# KiCad board n64adv2.kicad_pcb
title: N64Advanced v2 (ADV7513 Version); rev: 20231119; company: Peter 'borti498' Bartmann; note: Schematic and PCB (c) 2021 - 2023 by Peter Bartmann; note: N64Adv2_20231119; note: Licensed under CERN-OHL-W v2
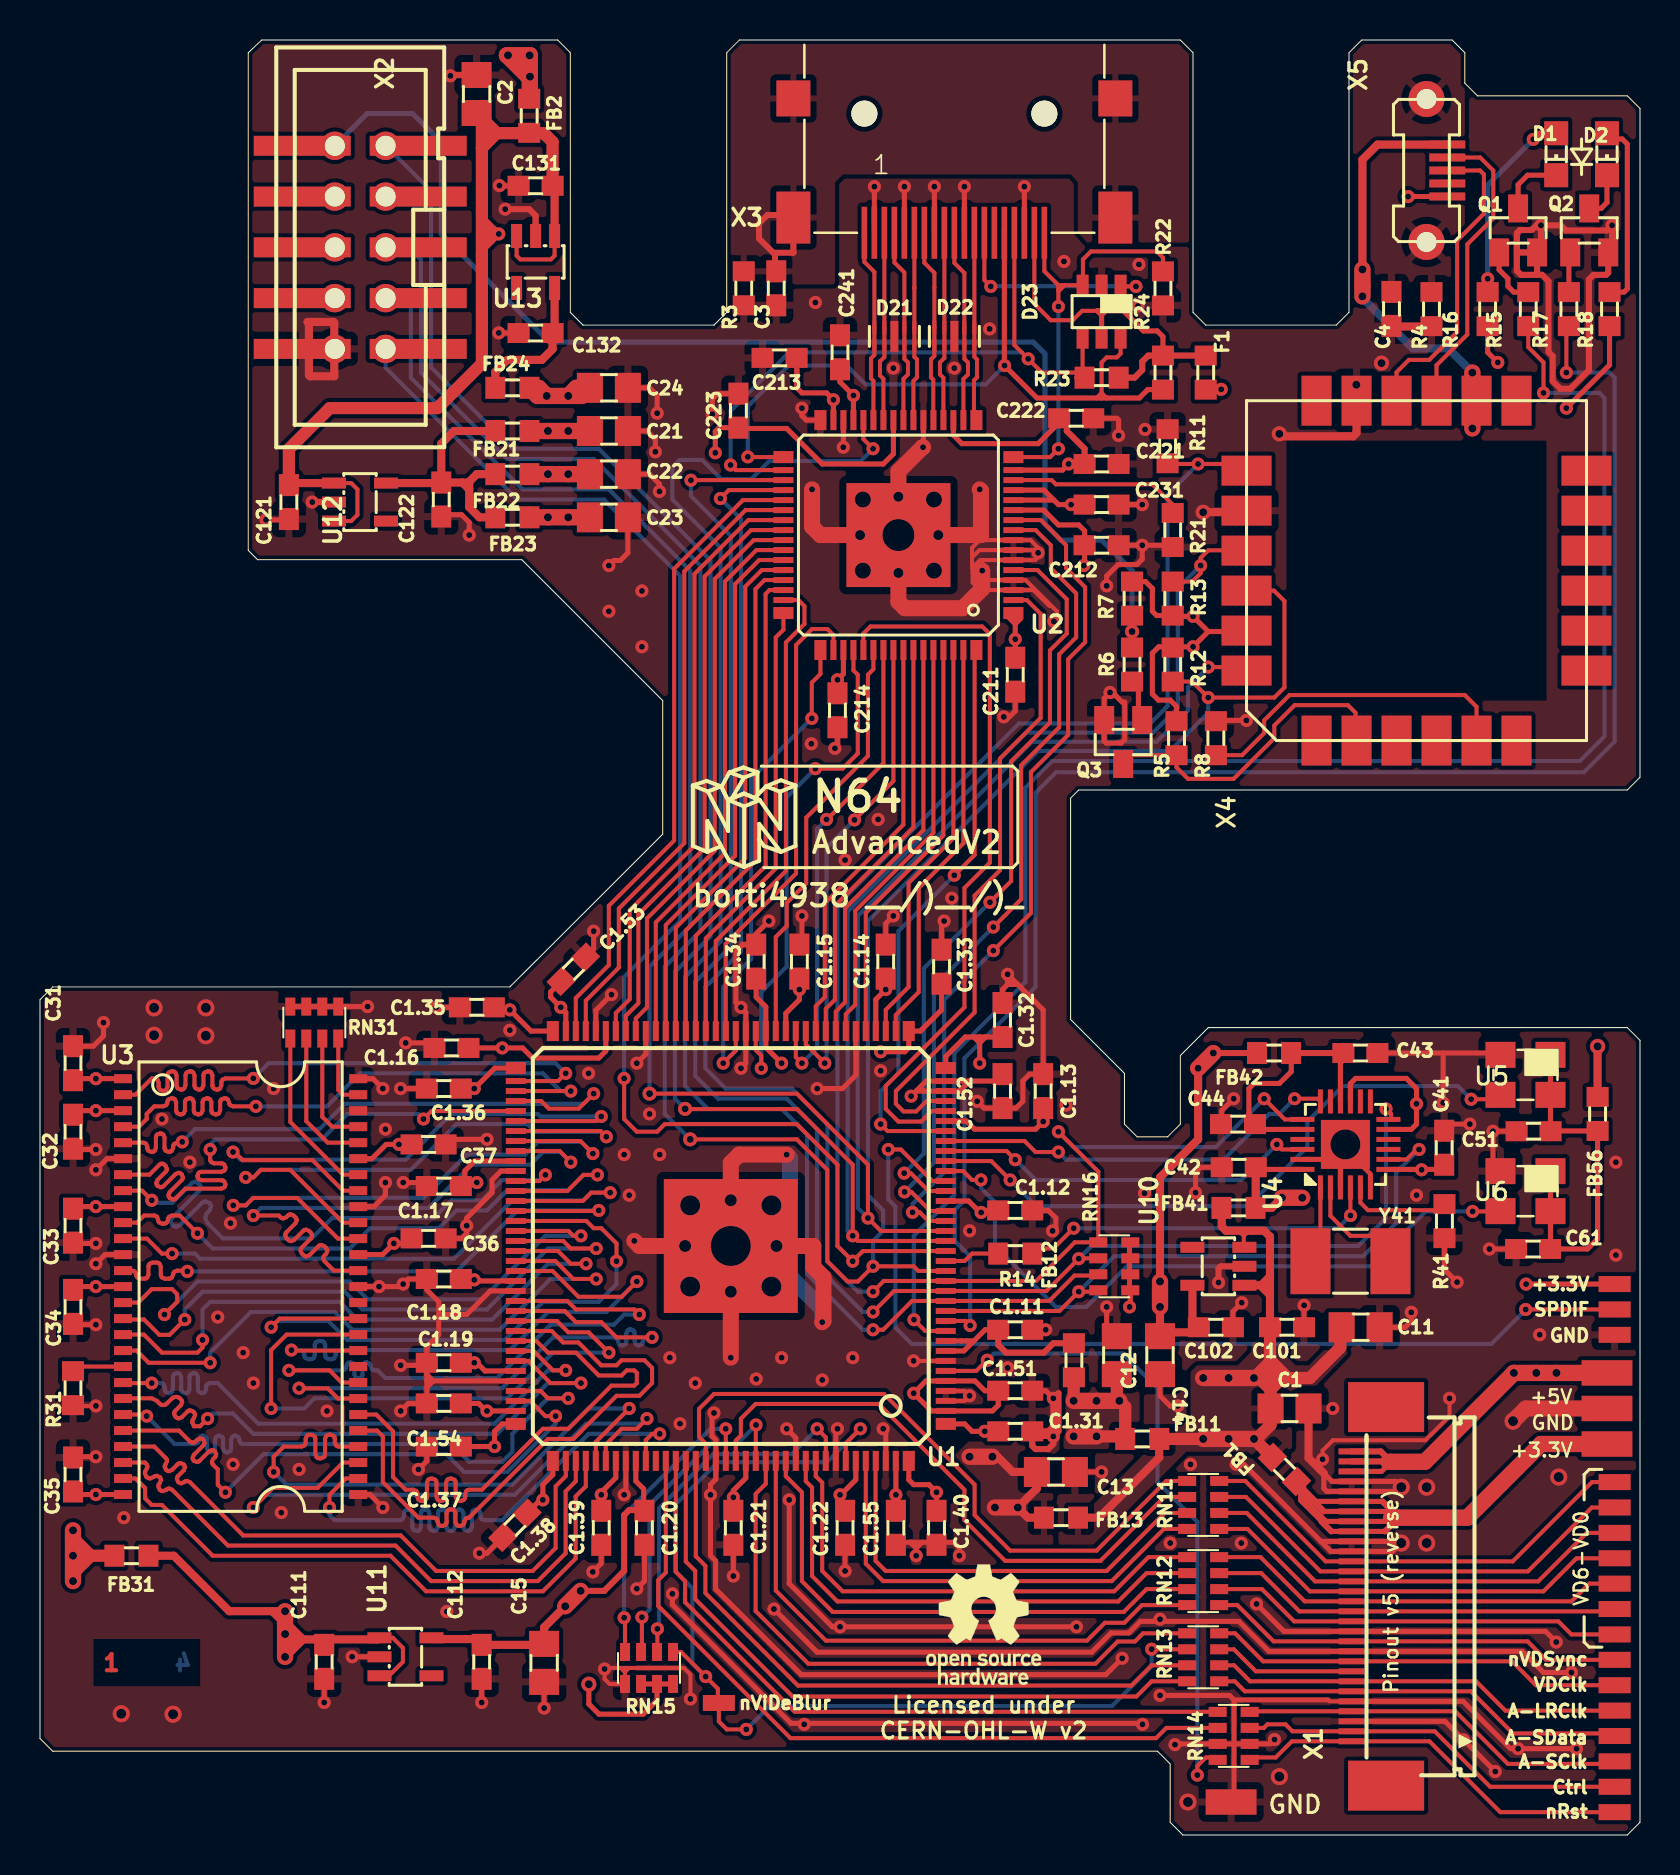
[diagram p0: board, top side]
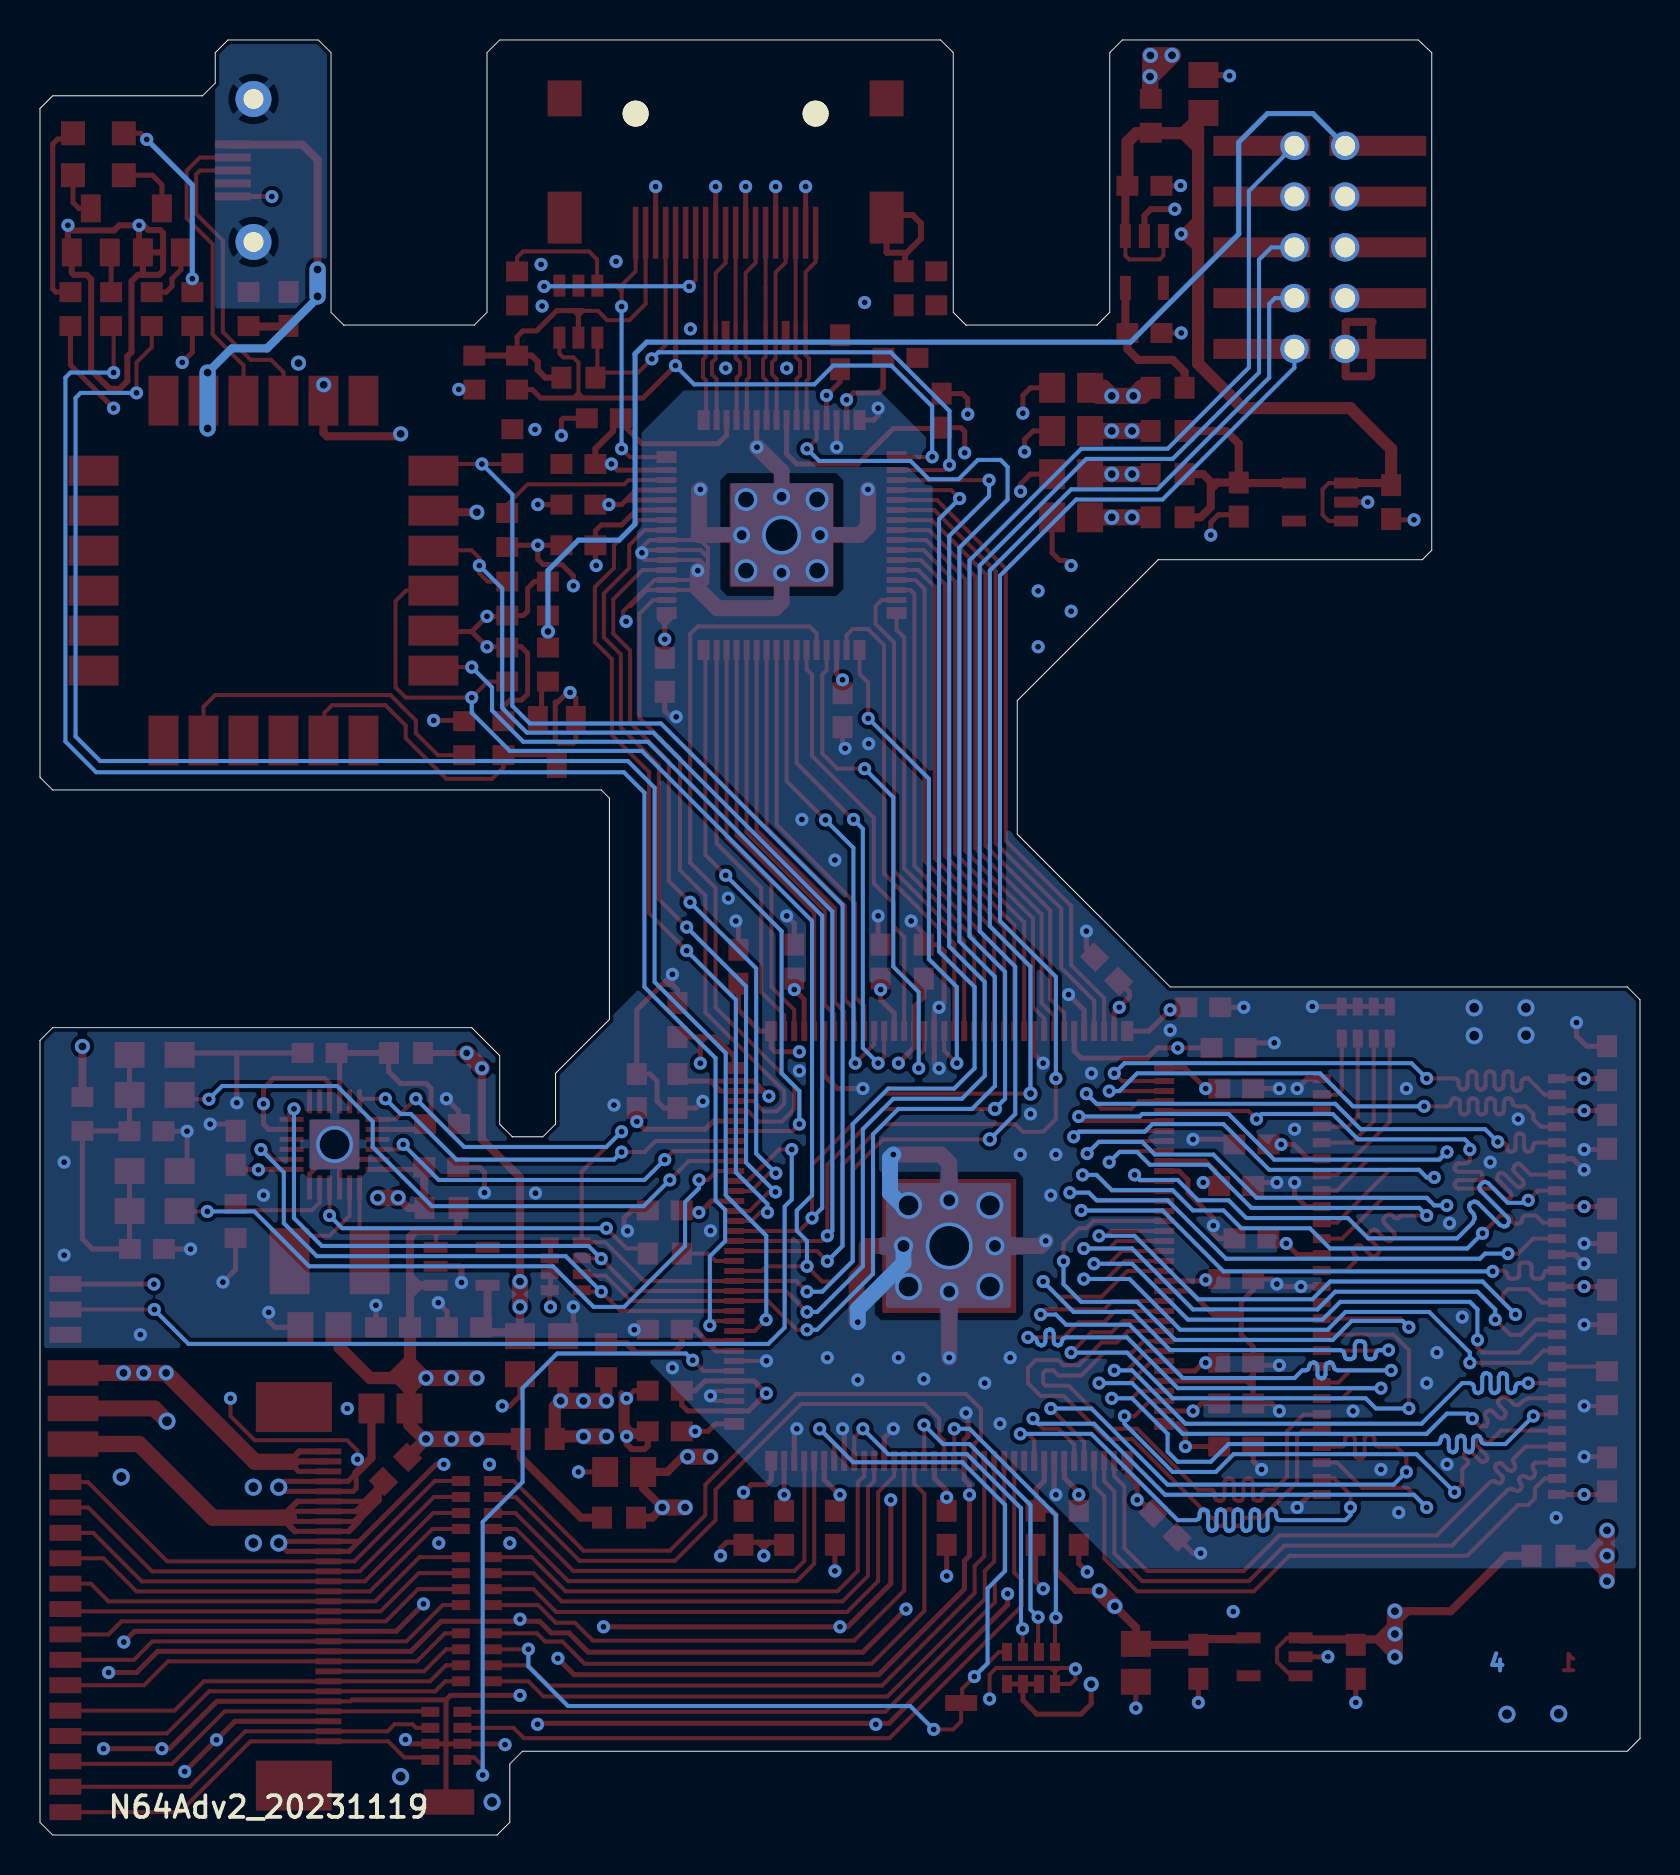
[diagram p1: board, bottom side, seen from below]

Outline 80.01 x 89.79 mm; copper layers: Top, In1.Cu, In2.Cu, Bottom. Coordinates in mm from the lower left corner of the outline.
Outline path: 0,4.83 0,41.78 0.64,42.42 23.49,42.42 31.14,50.06 31.14,56.74 24.09,63.79 10.88,63.79 10.41,64.26 10.41,89.15 11.09,89.79 25.88,89.79 26.52,89.15 26.52,76.16 27.15,75.53 33.71,75.53 34.34,76.16 34.34,89.15 34.98,89.79 57.02,89.79 57.66,89.15 57.66,76.16 58.29,75.53 64.82,75.53 65.46,76.16 65.46,89.15 66.09,89.79 70.61,89.79 71.25,89.15 71.25,87.63 71.88,87 79.38,87 80.01,86.36 80.01,52.91 79.38,52.27 51.94,52.27 51.54,51.87 51.54,40.79 54.23,38.1 54.23,35.56 54.86,34.92 56.39,34.92 57.02,35.56 57.02,38.99 58.42,40.39 79.38,40.39 80.01,39.75 80.01,0.63 79.38,0 57.15,0 56.52,0.63 56.52,3.56 55.88,4.19 0.64,4.19 0,4.83
Stack: Top 0.035mm / dielectric 0.48mm FR4 er 4.5 / In1.Cu 0.035mm / dielectric 0.48mm FR4 er 4.5 / In2.Cu 0.035mm / dielectric 0.48mm FR4 er 4.5 / Bottom 0.035mm

## Placement (name value [footprint] x y rotation side)
ALRCLK1  SMD1  [SMD0,8-1,6]  78.74 6.22 90 top
ASCLK1  SMD1  [SMD0,8-1,6]  78.74 3.68 90 top
ASDATA1  SMD1  [SMD0,8-1,6]  78.74 4.95 90 top
C1  47u  [C0805]  62.48 21.34 0 top
C1.11  0.1u  [C0603]  48.77 25.27 0 top
C1.12  0.1u  [C0603]  48.77 31.24 0 top
C1.13  0.1u  [C0603]  50.17 37.21 90 top
C1.14  0.1u  [C0603]  42.29 43.69 90 top
C1.15  0.1u  [C0603]  37.97 43.69 90 top
C1.16  0.1u  [C0603]  20.57 39.37 180 top
C1.17  0.1u  [C0603]  20.19 32.46 180 top
C1.18  0.1u  [C0603]  20.19 27.81 180 top
C1.19  0.1u  [C0603]  20.19 23.62 180 top
C1.20  0.1u  [C0603]  30.23 15.37 270 top
C1.21  0.1u  [C0603]  34.67 15.37 270 top
C1.22  0.1u  [C0603]  40.26 15.37 270 top
C1.31  0.1u  [C0603]  48.77 20.19 0 top
C1.32  0.1u  [C0603]  48.13 40.77 90 top
C1.33  0.1u  [C0603]  45.08 43.43 90 top
C1.34  0.1u  [C0603]  35.81 43.69 90 top
C1.35  0.1u  [C0603]  21.84 41.4 180 top
C1.36  0.1u  [C0603]  20.19 37.34 180 top
C1.37  0.1u  [C0603]  20.19 19.43 180 top
C1.38  0.1u  [C0603]  23.75 15.49 225 top
C1.39  0.1u  [C0603]  28.07 15.37 270 top
C1.40  0.1u  [C0603]  44.83 15.37 270 top
C1.51  0.1u  [C0603]  48.77 22.23 0 top
C1.52  0.1u  [C0603]  48.13 37.21 270 top
C1.53  0.1u  [C0603]  26.67 43.31 45 top
C1.54  0.1u  [C0603]  20.19 21.59 180 top
C1.55  0.1u  [C0603]  42.8 15.37 270 top
C2  47u  [C0805]  21.83 87.09 90 top
C3  0.1u  [C0603]  36.82 77.37 90 top
C4  0.1u  [C0603]  67.58 76.34 90 top
C11  10u  [C0805]  66.04 25.4 0 top
C12  10u  [C0805]  53.85 24 90 top
C13  10u  [C0805]  50.8 18.16 0 top
C14  10u  [C0805]  56.01 24 270 top
C15  10u  [C0805]  25.21 8.61 270 top
C21  10u  [C0805]  28.45 70.23 0 top
C22  10u  [C0805]  28.45 68.07 0 top
C23  10u  [C0805]  28.45 65.91 0 top
C24  10u  [C0805]  28.45 72.39 0 top
C31  0.1u  [C0603]  1.65 38.61 90 top
C32  0.1u  [C0603]  1.65 35.18 270 top
C33  0.1u  [C0603]  1.65 30.48 270 top
C34  0.1u  [C0603]  1.65 26.42 270 top
C35  0.1u  [C0603]  1.65 18.03 90 top
C36  0.1u  [C0603]  19.43 29.84 0 top
C37  0.1u  [C0603]  19.43 34.54 0 top
C41  0.1u  [C0603]  70.22 34.38 90 top
C42  0.1u  [C0603]  59.94 33.4 180 top
C43  0.1u  [C0603]  66.03 39.12 0 top
C44  0.1u  [C0603]  59.91 35.56 180 top
C51  0.01u  [C0603]  74.69 35.2 180 top
C61  0.01u  [C0603]  74.66 29.31 180 top
C101  1u  [C0603]  62.36 25.4 0 top
C102  1u  [C0603]  58.8 25.4 0 top
C111  1u  [C0603]  14.21 8.66 270 top
C112  1u  [C0603]  22.09 8.66 270 top
C121  1u  [C0603]  12.45 66.67 270 top
C122  1u  [C0603]  20.07 66.8 270 top
C131  1u  [C0603]  24.78 82.5 180 top
C132  1u  [C0603]  24.78 75.13 180 top
C211  0.1u  [C0603]  48.77 58.04 270 top
C212  0.1u  [C0603]  53.09 64.52 0 top
C213  0.1u  [C0603]  36.98 73.89 180 top
C214  0.1u  [C0603]  39.88 56.26 270 top
C221  0.1u  [C0603]  53.09 68.58 0 top
C222  0.1u  [C0603]  51.82 70.87 0 top
C223  0.1u  [C0603]  34.92 71.25 90 top
C231  0.1u  [C0603]  53.09 66.55 0 top
C241  0.1u  [C0603]  40.01 74.17 90 top
CTRL1  SMD1  [SMD0,8-1,6]  78.74 2.41 90 top
D1  LTST-C194KRKT  [CHIPLED_0805]  75.82 84.07 180 top
D2  LTST-C194KGKT  [CHIPLED_0805]  78.36 84.07 180 top
D21  RCLAMP0524PATCT  [HDMI_RCLAMP]  42.72 74.96 0 top
D22  RCLAMP0524PATCT  [HDMI_RCLAMP]  45.72 74.96 180 top
D23  NUP4114HMR6T1G  [SOT-23-6]  53.09 76.2 270 top
F1  MF-FSMF020X-2  [R0603]  58.29 73.15 90 top
FB1  MPZ1608S221A  [R0603]  62.23 18.29 135 top
FB2  MPZ1608S221A  [R0603]  24.46 86 270 top
FB11  MPZ1608S221A  [R0603]  55.12 19.81 180 top
FB12  MPZ1608S221A  [R0603]  51.7 23.75 90 top
FB13  MPZ1608S221A  [R0603]  51.05 15.88 180 top
FB21  MPZ1608S221A  [R0603]  23.62 70.23 0 top
FB22  MPZ1608S221A  [R0603]  23.62 68.07 0 top
FB23  MPZ1608S221A  [R0603]  23.62 65.91 0 top
FB24  MPZ1608S221A  [R0603]  23.62 72.39 0 top
FB31  MPZ1608S221A  [R0603]  4.57 13.97 180 top
FB41  MPZ1608S221A  [R0603]  59.93 31.37 0 top
FB42  MPZ1608S221A  [R0603]  61.71 39.12 0 top
FB56  MPZ1608S221A  [R0603]  77.89 36.07 270 top
nRST1  SMD1  [SMD0,8-1,6]  78.74 1.14 90 top
nVDS1  SMD1  [SMD0,8-1,6]  78.74 8.76 90 top
nViDeBlur1  SMD1  [SMD0,8-1,6]  33.95 6.6 90 top
P_5V_IN0  SMD2  [SMD1,27-2,54]  78.36 23.11 270 top
P_GND_2  SMD2  [SMD1,27-2,54]  59.56 1.65 90 top
P_GND_3  SMD2  [SMD1,27-2,54]  78.36 21.34 90 top
Q1  2N2222  [SOT23]  73.91 80.26 0 top
Q2  2N2222  [SOT23]  77.47 80.26 0 top
Q3  2N2222  [SOT23]  54.17 54.67 180 top
R3  1M  [R0603]  35.19 77.37 90 top
R4  1M  [R0603]  69.58 76.33 90 top
R5  10k  [R0603]  56.83 54.86 90 top
R6  1k  [R0603]  54.61 58.55 270 top
R7  1k  [R0603]  54.61 61.85 90 top
R8  10k  [R0603]  58.8 54.86 270 top
R11  1k  [R0603]  56.39 69.47 90 top
R12  10k  [R0603]  56.64 58.55 90 top
R13  10k  [R0603]  56.64 61.85 270 top
R14  33  [R0603]  48.77 29.08 180 top
R15  1k  [R0603]  74.42 76.33 270 top
R16  330  [R0603]  72.39 76.33 270 top
R17  1k  [R0603]  76.45 76.33 270 top
R18  330  [R0603]  78.49 76.33 270 top
R21  887  [R0603]  56.64 65.28 90 top
R22  10k  [R0603]  56.15 77.36 90 top
R23  2k  [R0603]  53.09 72.9 180 top
R24  2k  [R0603]  56.15 73.15 270 top
R31  1k  [R0603]  1.65 22.35 270 top
R41  1k  [R0603]  70.23 30.71 270 top
REF**  -  [OSHW-Logo_5.7x6mm_SilkScreen]  47.18 10.53 0 top
RN11  BLA31AG121SN4D  [CTS742C083]  58.17 16.51 270 top
RN12  BLA31AG121SN4D  [CTS742C083]  58.17 12.7 270 top
RN13  BLA31AG121SN4D  [CTS742C083]  58.17 8.89 270 top
RN14  BLA31AG121SN4D  [CTS742C083]  59.69 4.96 270 top
RN15  CAY16-103J4LF  [CTS742C083]  30.45 8.36 180 top
RN16  CAY16-2201F4LF  [CTS742C083]  53.72 28.45 270 top
RN31  CAY16-103J4LF  [CTS742C083]  13.72 40.64 0 top
SPDIF1  SMD1  [SMD0,8-1,6]  78.74 26.29 90 top
SPDIF_GND1  SMD1  [SMD0,8-1,6]  78.74 25.02 90 top
SPDIF_VCCIO1  SMD1  [SMD0,8-1,6]  78.74 27.56 90 top
U1  10M16SAE144/10M25SAE144  [EQFP144_2]  34.54 29.46 180 top
U2  ADV7513  [LQFP64_EP]  42.93 65.02 180 top
U3  AS4C8M16SA-xTCN  [TSOP-54]  10.03 27.43 0 top
U4  SI5356A-B-GMR  [QFN-24-DIY]  65.28 34.54 90 top
U5  ECS-3225MV-500-CN-TR  [3.2X2.5_KXO-V96]  74.28 38.02 180 top
U6  ECS-3225MVLC-245.7-CN-TR  [3.2X2.5_KXO-V96]  74.28 32.21 180 top
U10  TLV70225DBV  [SOT23-5]  58.93 28.45 90 top
U11  TLV70025DDC  [SOT23-5]  18.28 8.92 270 top
U12  TLV70218DBV  [SOT23-5]  16 66.67 270 top
U13  TLV70033DDC  [SOT23-5]  24.78 78.69 180 top
UNK3V_IN0  SMD2  [SMD1,27-2,54]  78.36 19.56 90 top
VD0  SMD1  [SMD0,8-1,6]  78.74 17.65 270 top
VD1  SMD1  [SMD0,8-1,6]  78.74 16.38 270 top
VD2  SMD1  [SMD0,8-1,6]  78.74 15.11 270 top
VD3  SMD1  [SMD0,8-1,6]  78.74 13.84 270 top
VD4  SMD1  [SMD0,8-1,6]  78.74 12.57 270 top
VD5  SMD1  [SMD0,8-1,6]  78.74 11.3 270 top
VD6  SMD1  [SMD0,8-1,6]  78.74 10.03 270 top
VDCLK1  SMD1  [SMD0,8-1,6]  78.74 7.49 90 top
X1  3-1734592-0  [FH12-30S-0.5SH]  68.83 11.94 90 top
X2  3020-10-0300-00  [PAK100_2500-10]  16.01 79.42 90 top
X3  2000-1-2-41-00-BK  [hdmi_smd_shield_2000-1-2-41-00-BK]  45.72 80.3 180 top
X4  >VALUE  [TEI0005]  68.83 63.25 90 top
X5  USB3140-30-0170-0-C  [USB-MICRO-VERTICAL-DIY]  69.33 83.26 270 top
Y41  445I23D27M00000  [5.0X3.2_2]  65.53 28.7 180 top

## Footprints (pads in the part's own frame, mm; a bottom-side part is the same pattern mirrored in y, then rotated)
3.2X2.5_KXO-V96
  rect 1.5x1.3 smd: 1(-1.25,-1) 2(1.25,-1) 3(1.25,1) 4(-1.25,1)
5.0X3.2_2
  rect 2x3.3 smd: 1(-2,0) 2(2,0)
C0603
  rect 1.1x1 smd: 1(-0.85,0) 2(0.85,0)
C0805
  rect 1.3x1.5 smd: 1(-0.95,0) 2(0.95,0)
CHIPLED_0805
  rect 1.2x1.2 smd: A(0,-1.05) C(0,1.05)
CTS742C083
  rect 0.5x0.9 smd: 1(-1.2,-0.8) 2(-0.4,-0.8) 3(0.4,-0.8) 4(1.2,-0.8) 5(1.2,0.8) 6(0.4,0.8) 7(-0.4,0.8) 8(-1.2,0.8)
EQFP144_2
  rect 1x0.6 smd: 1(-10.75,8.9) 36(-10.75,-8.9) 73(10.75,-8.9) 108(10.75,8.9)
  rect 1x0.3 smd: 2(-10.75,8.25) 3(-10.75,7.75) 4(-10.75,7.25) 5(-10.75,6.75) 6(-10.75,6.25) 7(-10.75,5.75) 8(-10.75,5.25) 9(-10.75,4.75) 10(-10.75,4.25) 11(-10.75,3.75) 12(-10.75,3.25) 13(-10.75,2.75) 14(-10.75,2.25) 15(-10.75,1.75) 16(-10.75,1.25) 17(-10.75,0.75) 18(-10.75,0.25) 19(-10.75,-0.25) 20(-10.75,-0.75) 21(-10.75,-1.25) 22(-10.75,-1.75) 23(-10.75,-2.25) 24(-10.75,-2.75) 25(-10.75,-3.25) 26(-10.75,-3.75) 27(-10.75,-4.25) 28(-10.75,-4.75) 29(-10.75,-5.25) 30(-10.75,-5.75) 31(-10.75,-6.25) 32(-10.75,-6.75) 33(-10.75,-7.25) 34(-10.75,-7.75) 35(-10.75,-8.25) 74(10.75,-8.25) 75(10.75,-7.75) 76(10.75,-7.25) 77(10.75,-6.75) 78(10.75,-6.25) 79(10.75,-5.75) 80(10.75,-5.25) 81(10.75,-4.75) 82(10.75,-4.25) 83(10.75,-3.75) 84(10.75,-3.25) 85(10.75,-2.75) 86(10.75,-2.25) 87(10.75,-1.75) 88(10.75,-1.25) 89(10.75,-0.75) 90(10.75,-0.25) 91(10.75,0.25) 92(10.75,0.75) 93(10.75,1.25) 94(10.75,1.75) 95(10.75,2.25) 96(10.75,2.75) 97(10.75,3.25) 98(10.75,3.75) 99(10.75,4.25) 100(10.75,4.75) 101(10.75,5.25) 102(10.75,5.75) 103(10.75,6.25) 104(10.75,6.75) 105(10.75,7.25) 106(10.75,7.75) 107(10.75,8.25)
  rect 0.6x1 smd: 37(-8.9,-10.75) 72(8.9,-10.75) 109(8.9,10.75) 144(-8.9,10.75)
  rect 0.3x1 smd: 38(-8.25,-10.75) 39(-7.75,-10.75) 40(-7.25,-10.75) 41(-6.75,-10.75) 42(-6.25,-10.75) 43(-5.75,-10.75) 44(-5.25,-10.75) 45(-4.75,-10.75) 46(-4.25,-10.75) 47(-3.75,-10.75) 48(-3.25,-10.75) 49(-2.75,-10.75) 50(-2.25,-10.75) 51(-1.75,-10.75) 52(-1.25,-10.75) 53(-0.75,-10.75) 54(-0.25,-10.75) 55(0.25,-10.75) 56(0.75,-10.75) 57(1.25,-10.75) 58(1.75,-10.75) 59(2.25,-10.75) 60(2.75,-10.75) 61(3.25,-10.75) 62(3.75,-10.75) 63(4.25,-10.75) 64(4.75,-10.75) 65(5.25,-10.75) 66(5.75,-10.75) 67(6.25,-10.75) 68(6.75,-10.75) 69(7.25,-10.75) 70(7.75,-10.75) 71(8.25,-10.75) 110(8.25,10.75) 111(7.75,10.75) 112(7.25,10.75) 113(6.75,10.75) 114(6.25,10.75) 115(5.75,10.75) 116(5.25,10.75) 117(4.75,10.75) 118(4.25,10.75) 119(3.75,10.75) 120(3.25,10.75) 121(2.75,10.75) 122(2.25,10.75) 123(1.75,10.75) 124(1.25,10.75) 125(0.75,10.75) 126(0.25,10.75) 127(-0.25,10.75) 128(-0.75,10.75) 129(-1.25,10.75) 130(-1.75,10.75) 131(-2.25,10.75) 132(-2.75,10.75) 133(-3.25,10.75) 134(-3.75,10.75) 135(-4.25,10.75) 136(-4.75,10.75) 137(-5.25,10.75) 138(-5.75,10.75) 139(-6.25,10.75) 140(-6.75,10.75) 141(-7.25,10.75) 142(-7.75,10.75) 143(-8.25,10.75)
  rect 6.7x6.7 smd: E(0,0)
FH12-30S-0.5SH
  rect 0.3x1.3 smd: 1(-7.25,3.25) 2(-6.75,3.25) 3(-6.25,3.25) 4(-5.75,3.25) 5(-5.25,3.25) 6(-4.75,3.25) 7(-4.25,3.25) 8(-3.75,3.25) 9(-3.25,3.25) 10(-2.75,3.25) 11(-2.25,3.25) 12(-1.75,3.25) 13(-1.25,3.25) 14(-0.75,3.25) 15(-0.25,3.25) 16(0.25,3.25) 17(0.75,3.25) 18(1.25,3.25) 19(1.75,3.25) 20(2.25,3.25) 21(2.75,3.25) 22(3.25,3.25) 23(3.75,3.25) 24(4.25,3.25) 25(4.75,3.25) 26(5.25,3.25) 27(5.75,3.25) 28(6.25,3.25) 29(6.75,3.25) 30(7.25,3.25)
HDMI_RCLAMP
  rect 0.2x0.675 smd: 1(-1,-0.438) 2(-0.5,-0.438) 4(0.5,-0.438) 5(1,-0.438) 6(1,0.438) 7(0.5,0.438) 9(-0.5,0.438) 10(-1,0.438)
  rect 0.4x1.55 smd: 3(0,0)
hdmi_smd_shield_2000-1-2-41-00-BK
  round 1.3 hole 1.3 unplated: (-4.5,-5.81) (4.5,-5.81)
  rect 0.28x2.6 smd: 1(4.5,0.15) 2(4,0.15) 3(3.5,0.15) 4(3,0.15) 5(2.5,0.15) 6(2,0.15) 7(1.5,0.15) 8(1,0.15) 9(0.5,0.15) 10(0,0.15) 11(-0.5,0.15) 12(-1,0.15) 13(-1.5,0.15) 14(-2,0.15) 15(-2.5,0.15) 16(-3,0.15) 17(-3.5,0.15) 18(-4,0.15) 19(-4.5,0.15)
  rect 1.7x2.6 smd: SHELL(-8.05,-0.61) SHELL1(8.05,-0.61)
  rect 1.7x1.8 smd: SHELL2(-8.05,-6.57) SHELL3(8.05,-6.57)
LQFP64_EP
  rect 1x0.6 smd: 1(-5.75,3.9) 16(-5.75,-3.9) 33(5.75,-3.9) 48(5.75,3.9)
  rect 1x0.3 smd: 2(-5.75,3.25) 3(-5.75,2.75) 4(-5.75,2.25) 5(-5.75,1.75) 6(-5.75,1.25) 7(-5.75,0.75) 8(-5.75,0.25) 9(-5.75,-0.25) 10(-5.75,-0.75) 11(-5.75,-1.25) 12(-5.75,-1.75) 13(-5.75,-2.25) 14(-5.75,-2.75) 15(-5.75,-3.25) 34(5.75,-3.25) 35(5.75,-2.75) 36(5.75,-2.25) 37(5.75,-1.75) 38(5.75,-1.25) 39(5.75,-0.75) 40(5.75,-0.25) 41(5.75,0.25) 42(5.75,0.75) 43(5.75,1.25) 44(5.75,1.75) 45(5.75,2.25) 46(5.75,2.75) 47(5.75,3.25)
  rect 0.6x1 smd: 17(-3.9,-5.75) 32(3.9,-5.75) 49(3.9,5.75) 64(-3.9,5.75)
  rect 0.3x1 smd: 18(-3.25,-5.75) 19(-2.75,-5.75) 20(-2.25,-5.75) 21(-1.75,-5.75) 22(-1.25,-5.75) 23(-0.75,-5.75) 24(-0.25,-5.75) 25(0.25,-5.75) 26(0.75,-5.75) 27(1.25,-5.75) 28(1.75,-5.75) 29(2.25,-5.75) 30(2.75,-5.75) 31(3.25,-5.75) 50(3.25,5.75) 51(2.75,5.75) 52(2.25,5.75) 53(1.75,5.75) 54(1.25,5.75) 55(0.75,5.75) 56(0.25,5.75) 57(-0.25,5.75) 58(-0.75,5.75) 59(-1.25,5.75) 60(-1.75,5.75) 61(-2.25,5.75) 62(-2.75,5.75) 63(-3.25,5.75)
  rect 5.2x5.2 smd: EXP(0,0)
PAK100_2500-10
  round 1.422 hole 1: 1(-5.08,-1.27) 2(-5.08,1.27) 3(-2.54,-1.27) 4(-2.54,1.27) 5(0,-1.27) 6(0,1.27) 7(2.54,-1.27) 8(2.54,1.27) 9(5.08,-1.27) 10(5.08,1.27)
  rect 1x4.85 smd: 1(-5.08,-2.9) 2(-5.08,2.9) 3(-2.54,-2.9) 4(-2.54,2.9) 5(0,-2.9) 6(0,2.9) 7(2.54,-2.9) 8(2.54,2.9) 9(5.08,-2.9) 10(5.08,2.9)
QFN-24-DIY
  rect 2.45x2.45 smd: EXP(0,0)
  rect 1.2x0.25 smd: P1(-2.15,1.25) P2(-2.15,0.75) P3(-2.15,0.25) P4(-2.15,-0.25) P5(-2.15,-0.75) P6(-2.15,-1.25) P13(2.15,-1.25) P14(2.15,-0.75) P15(2.15,-0.25) P16(2.15,0.25) P17(2.15,0.75) P18(2.15,1.25)
  rect 0.25x1.2 smd: P7(-1.25,-2.15) P8(-0.75,-2.15) P9(-0.25,-2.15) P10(0.25,-2.15) P11(0.75,-2.15) P12(1.25,-2.15) P19(1.25,2.15) P20(0.75,2.15) P21(0.25,2.15) P22(-0.25,2.15) P23(-0.75,2.15) P24(-1.25,2.15)
R0603
  rect 1x1.1 smd: 1(-0.85,0) 2(0.85,0)
SMD0,8-1,6
  rect 0.8x1.6 smd: P$1(0,0)
SMD1,27-2,54
  rect 1.27x2.54 smd: 1(0,0)
SOT23
  rect 1x1.4 smd: 1(-0.95,-1.1) 2(0.95,-1.1) 3(0,1.1)
SOT23-5
  rect 0.55x1.2 smd: 1(-0.95,-1.3) 2(0,-1.3) 3(0.95,-1.3) 4(0.95,1.3) 5(-0.95,1.3)
SOT-23-6
  rect 1.1x0.6 smd: 1(-1.3,0.95) 2(-1.3,0) 3(-1.3,-0.95) 4(1.3,-0.95) 5(1.3,0) 6(1.3,0.95)
TEI0005
  rect 2.5x1.5 smd: 1(-8.5,5) 2(-8.5,3) 3(-8.5,1) 4(-8.5,-1) 5(-8.5,-3) 6(-8.5,-5) 13(8.5,-5) 14(8.5,-3) 15(8.5,-1) 16(8.5,1) 17(8.5,3) 18(8.5,5)
  rect 1.5x2.5 smd: 7(-5,-8.5) 8(-3,-8.5) 9(-1,-8.5) 10(1,-8.5) 11(3,-8.5) 12(5,-8.5) 19(5,8.5) 20(3,8.5) 21(1,8.5) 22(-1,8.5) 23(-3,8.5) 24(-5,8.5)
TSOP-54
  rect 0.9x0.45 smd: 1(-5.88,10.4) 2(-5.88,9.6) 3(-5.88,8.8) 4(-5.88,8) 5(-5.88,7.2) 6(-5.88,6.4) 7(-5.88,5.6) 8(-5.88,4.8) 9(-5.88,4) 10(-5.88,3.2) 11(-5.88,2.4) 12(-5.88,1.6) 13(-5.88,0.8) 14(-5.88,0) 15(-5.88,-0.8) 16(-5.88,-1.6) 17(-5.88,-2.4) 18(-5.88,-3.2) 19(-5.88,-4) 20(-5.88,-4.8) 21(-5.88,-5.6) 22(-5.88,-6.4) 23(-5.88,-7.2) 24(-5.88,-8) 25(-5.88,-8.8) 26(-5.88,-9.6) 27(-5.88,-10.4) 28(5.88,-10.4) 29(5.88,-9.6) 30(5.88,-8.8) 31(5.88,-8) 32(5.88,-7.2) 33(5.88,-6.4) 34(5.88,-5.6) 35(5.88,-4.8) 36(5.88,-4) 37(5.88,-3.2) 38(5.88,-2.4) 39(5.88,-1.6) 40(5.88,-0.8) 41(5.88,0) 42(5.88,0.8) 43(5.88,1.6) 44(5.88,2.4) 45(5.88,3.2) 46(5.88,4) 47(5.88,4.8) 48(5.88,5.6) 49(5.88,6.4) 50(5.88,7.2) 51(5.88,8) 52(5.88,8.8) 53(5.88,9.6) 54(5.88,10.4)
USB-MICRO-VERTICAL-DIY
  rect 0.4x1.8 smd: 1(-1.3,1.04) 2(-0.65,1.04) 3(0,1.04) 4(0.65,1.04) 5(1.3,1.04)
  round 1.8 hole 1: 6(-3.575,0) 7(3.575,0)

## Nets
3V3_IN: FB1.1 UNK3V_IN0.1 X1.22 X1.23 X1.24 X1.25
5V_IN: FB2.1 P_5V_IN0.1 X1.28 X1.29 X1.30
+3V3: C1.1 C1.31.1 C1.32.1 C1.33.1 C1.34.1 C1.35.1 C1.36.1 C1.37.1 C1.38.1 C1.39.1 C1.40.1 C11.1 C101.1 C111.1 FB1.2 FB11.1 FB13.1 FB31.1 FB41.1 U1.1 U1.36 U1.37 U1.51 U1.72 U1.73 U1.108 U1.109 U1.115 U1.144 U10.1 U10.3 U11.1 U11.3
+5V: C2.1 C121.1 C131.1 F1.1 FB2.2 U12.1 U12.3 U13.1 U13.3
/n64adv2_logic/5V_HDMI: D23.5 F1.2 R23.1 R24.1 X3.18
/n64adv2_logic/GND_HDMI_SHIELD: C3.2 R3.2 X3.SHELL X3.SHELL1 X3.SHELL2 X3.SHELL3
AVDD: C22.1 C221.1 C222.1 C223.1 FB22.2 U2.15 U2.19 U2.25
DVDD: C21.1 C211.1 C212.1 C213.1 C214.1 FB21.2 U2.1 U2.11 U2.31 U2.51
DVDD_3V3: C24.1 C241.1 FB24.2 U2.29
GND: C1.2 C1.11.2 C1.12.2 C1.13.2 C1.14.2 C1.15.2 C1.16.2 C1.17.2 C1.18.2 C1.19.2 C1.20.2 C1.21.2 C1.22.2 C1.31.2 C1.32.2 C1.33.2 C1.34.2 C1.35.2 C1.36.2 C1.37.2 C1.38.2 C1.39.2 C1.40.2 C1.51.2 C1.52.2 C1.53.2 C1.54.2 C1.55.2 C2.2 C3.1 C4.1 C11.2 C12.2 C13.2 C14.2 C15.2 C21.2 C22.2 C23.2 C24.2 C31.2 C32.2 C33.2 C34.2 C35.2 C36.2 C37.2 C41.2 C42.2 C43.2 C44.2 C51.2 C61.2 C101.2 C102.2 C111.2 C112.2 C121.2 C122.2 C131.2 C132.2 C211.2 C212.2 C213.2 C214.2 C221.2 C222.2 C223.2 C231.2 C241.2 D21.3 D22.3 D23.2 P_GND_2.1 P_GND_3.1 Q1.2 Q2.2 Q3.2 R3.1 R4.1 R8.1 R11.2 R21.1 R22.1 R31.2 R41.2 RN14.3 RN14.6 RN15.5 RN31.5 RN31.6 RN31.7 RN31.8 SPDIF_GND1.P$1 U1.3 U1.4 U1.7 U1.42 U1.53 U1.63 U1.68 U1.83 U1.95 U1.104 U1.116 U1.125 U1.133 U1.137 U1.142 U1.E U2.3 U2.4 U2.6 U2.7 U2.8 U2.22 U2.30 U2.32 U2.EXP U3.6 U3.12 U3.28 U3.41 U3.46 U3.52 U3.54 U4.EXP U4.P3 U4.P6 U4.P23 U5.2 U6.2 U10.2 U11.2 U12.2 U13.2 X1.3 X1.5 X1.10 X1.12 X1.20 X1.21 X1.26 X1.27 X2.2 X3.2 X3.5 X3.8 X3.11 X3.17 X4.17 X4.20 X5.5
PVDD: C23.1 C231.1 FB23.2 U2.12 U2.13
VCC_U56: C51.1 C61.1 FB56.2 U5.1 U5.4 U6.1 U6.4
VCCA: C1.51.1 C1.52.1 C1.53.1 C1.54.1 C1.55.1 C13.1 FB13.2 U1.2 U1.5 U1.34 U1.35 U1.71 U1.107 U1.143
VCCIO_2V5: C1.13.1 C1.14.1 C1.15.1 C1.16.1 C14.1 C102.1 FB42.1 FB56.1 U1.31 U1.40 U1.49 U1.67 U10.5
VCCIO_3V3: C1.12.1 C1.17.1 C1.21.1 C1.22.1 C12.1 FB11.2 FB12.1 R5.2 R7.2 R12.2 R13.2 R16.2 R18.2 RN15.6 RN15.7 RN15.8 RN16.5 RN16.6 RN16.7 RN16.8 SPDIF_VCCIO1.P$1 U1.23 U1.82 U1.128 U1.139 X2.4 X4.23
VCCIO_B1A: C1.11.1 FB12.2 U1.8 U1.9
VCCIO_BANK67: C1.18.1 C1.19.1 C1.20.1 C15.1 C112.1 U1.94 U1.103 U1.117 U11.5
VCCIO_U4: C43.1 C44.1 FB42.2 U4.P16 U4.P20
VDD_U3: C31.1 C32.1 C33.1 C34.1 C35.1 C36.1 C37.1 FB31.2 U3.1 U3.3 U3.9 U3.14 U3.27 U3.43 U3.49
VDD_U4: C41.1 C42.1 FB41.2 U4.P7 U4.P11 U4.P15 U4.P24
/n64adv2_logic/TCK: R11.1 U1.18 X2.1 X4.19
/n64adv2_logic/TDI: R13.1 U1.19 X2.9 X4.21
/n64adv2_logic/TDO: U1.20 X2.3 X4.24
/n64adv2_logic/TMS: R12.1 U1.16 X2.5 X4.22
Net-(ALRCLK1-PadP$1): ALRCLK1.P$1 RN13.6 X1.7
Net-(ASCLK1-PadP$1): ASCLK1.P$1 RN14.8 X1.4
Net-(ASDATA1-PadP$1): ASDATA1.P$1 RN13.5 X1.6
Net-(C4-Pad2): C4.2 R4.2 X5.6 X5.7
Net-(C122-Pad1): C122.1 FB21.1 FB22.1 FB23.1 U12.5
Net-(C132-Pad1): C132.1 FB24.1 U13.5
Net-(CTRL1-PadP$1): CTRL1.P$1 RN14.7 X1.2
Net-(D1-PadA): D1.A R16.1
Net-(D1-PadC): D1.C Q1.3
Net-(D2-PadA): D2.A R18.1
Net-(D2-PadC): D2.C Q2.3
Net-(D21-Pad1): D21.1 D21.10 U2.27 X3.1
Net-(D21-Pad2): D21.2 D21.9 U2.26 X3.3
Net-(D21-Pad4): D21.4 D21.7 U2.24 X3.4
Net-(D21-Pad5): D21.5 D21.6 U2.23 X3.6
Net-(D22-Pad1): D22.1 D22.10 U2.17 X3.12
Net-(D22-Pad2): D22.2 D22.9 U2.18 X3.10
Net-(D22-Pad4): D22.4 D22.7 U2.20 X3.9
Net-(D22-Pad5): D22.5 D22.6 U2.21 X3.7
Net-(D23-Pad1): D23.1 X3.13
Net-(D23-Pad3): D23.3 R22.2 U2.16 X3.19
Net-(D23-Pad4): D23.4 R23.2 U2.34 X3.16
Net-(D23-Pad6): D23.6 R24.2 U2.33 X3.15
Net-(Q1-Pad1): Q1.1 R15.1
Net-(Q2-Pad1): Q2.1 R17.1
Net-(Q3-Pad1): Q3.1 R6.2
Net-(Q3-Pad3): Q3.3 R5.1 X4.2
Net-(R6-Pad1): R6.1 R7.1 X2.10
Net-(R8-Pad2): R8.2 X4.5
Net-(R14-Pad1): R14.1 U4.P4
Net-(R14-Pad2): R14.2 U1.17
Net-(R15-Pad2): R15.2 U1.10
Net-(R17-Pad2): R17.2 U1.11
Net-(R21-Pad2): R21.2 U2.14
Net-(R31-Pad1): R31.1 U3.19
Net-(R41-Pad1): R41.1 U4.P5
Net-(RN11-Pad1): RN11.1 U1.124
Net-(RN11-Pad2): RN11.2 U1.127
Net-(RN11-Pad3): RN11.3 U1.141
Net-(RN11-Pad4): RN11.4 U1.140
Net-(RN11-Pad5): RN11.5 VD3.P$1 X1.16
Net-(RN11-Pad6): RN11.6 VD2.P$1 X1.17
Net-(RN11-Pad7): RN11.7 VD1.P$1 X1.18
Net-(RN11-Pad8): RN11.8 VD0.P$1 X1.19